# KiCad board m-blanc.kicad_pcb (continued)
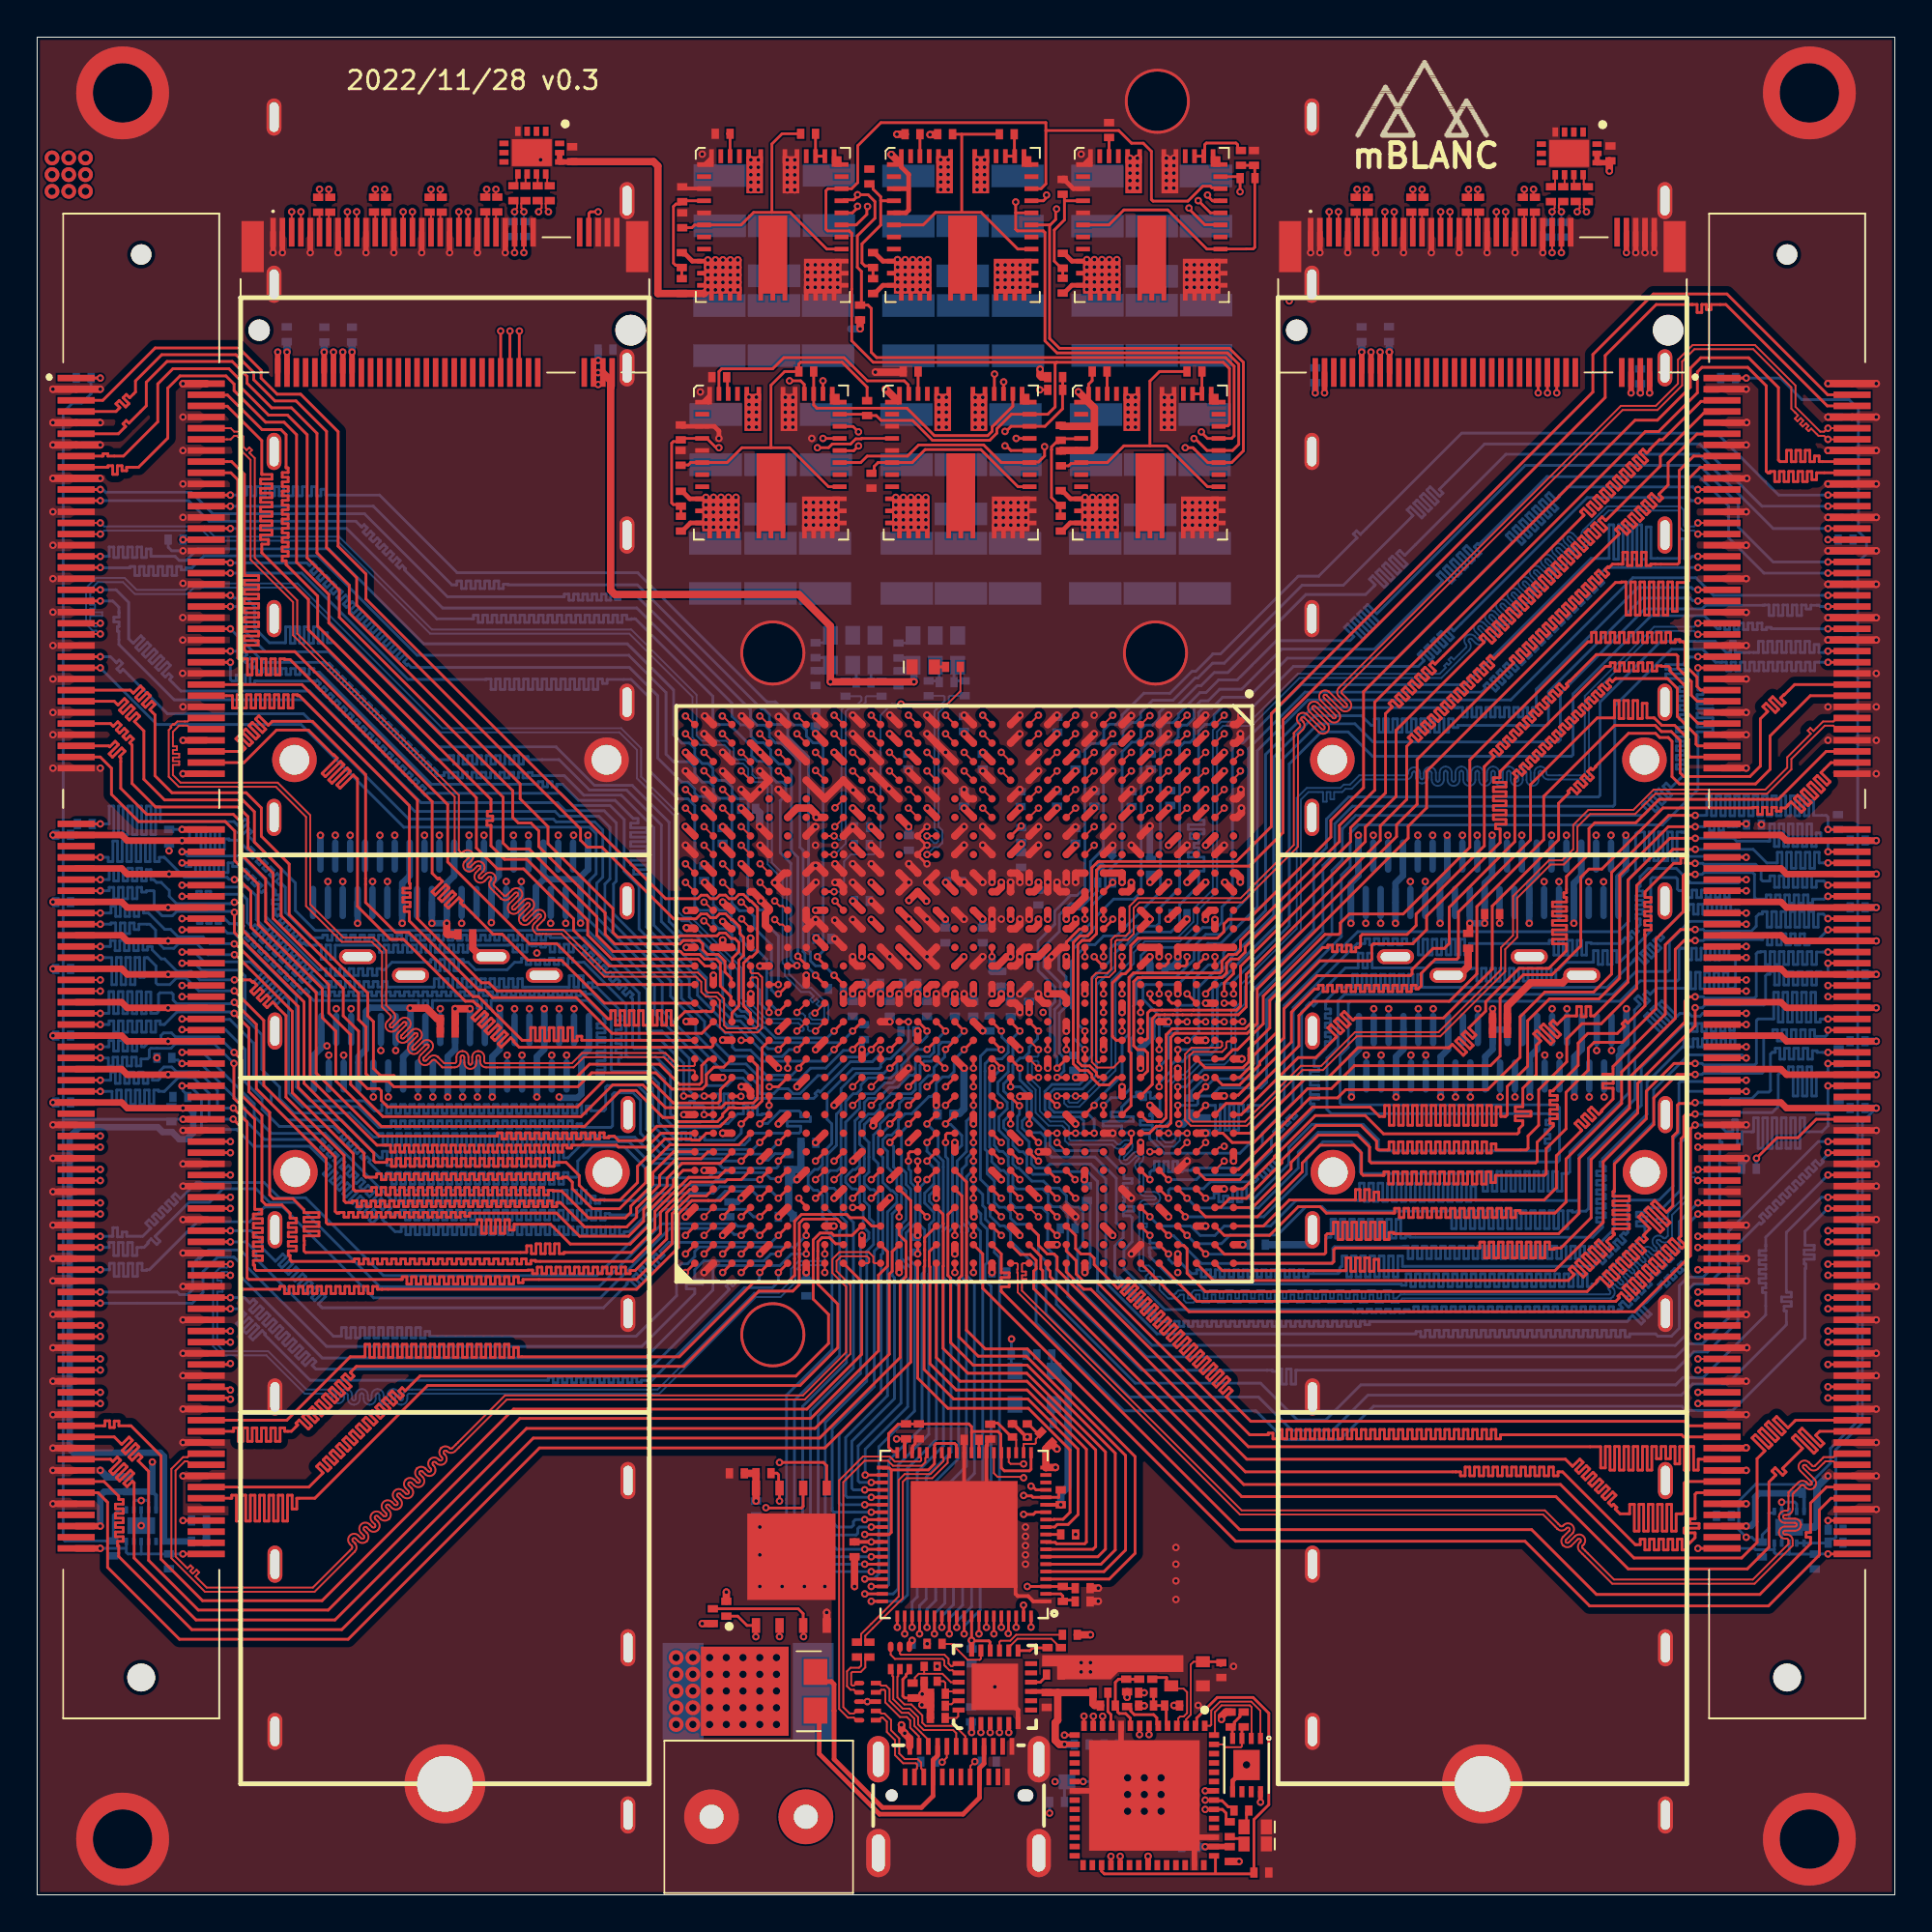
[diagram p0: board, top side]
## Routing (per net, layer and track width the routed paths; a pad name or vN(x,y) marks a point on that pad's centre or on a via; arc(x,y) is an arc through that point) (continued)
  Bottom Layer w0.1: v1(25.7,90.6) 25.7,90.16 R69.2
PCIe1_DET: length 77.2
  Top Layer w0.15: U1.A17 64.41,47.01 64.88,47.01 v1(64.89,47.01) ; M.2 #1.69 29.7,90.51 29.79,90.6 v1(30.2,90.6)
  InLayer1 (GND) w0.15: v1(64.89,47.01) 64.4,47.5 63.6,47.5 63.28,47.83 63.28,49.8 64.03,50.55 64.03,53.2 63.53,53.7 63.53,64.27 63.14,64.66 59.17,64.66 55.95,67.88 55.95,78.37 55.15,79.17 55.15,88.58 54.01,89.72 30.48,89.72 30.2,90 v1(30.2,90.6)
PCIe1_PERST: length 79.1
  Top Layer w0.15: v1(25.96,84.18) 25.95,84.18 25.95,81.95 M.2 #1.54 ; U1.C17 v1(62.9,47)
  InLayer1 (GND) w0.15: v1(25.96,84.18) 30.75,88.97 53.7,88.97 54.4,88.27 54.4,78.84 55.2,78.04 55.2,67.57 58.86,63.91 60.14,63.91 60.4,63.66 60.4,53.91 61.35,52.96 61.35,52.45 62,51.8 62.09,51.8 62.28,51.62 62.28,47.62 v1(62.9,47)
PCIe1_RCLK_N: length 84.1
  Top Layer w0.1: U1.J7 v1(56.9,57.5) ; v1(26.99,90.6) 26.99,90.65 27.15,90.81 27.15,91.05 27,91.2 C88.1
  InLayer2 (Signal) w0.1: v1(56.9,57.5) 56.9,57.17 56.97,57.1 57.19,57.1 57.3,57.21 57.3,57.6 57.04,57.86 54.64,57.86 54.3,58.2 54.3,59.7 54.1,59.9 53.61,59.9 53.28,60.23 53.28,62.61 52.98,62.9 52.69,62.9 52.33,63.26 52.33,64.36 47.33,69.36 29.62,69.36 27.14,71.84 27.14,72.34 26.86,72.34 26.86,72.54 27.14,72.54 27.14,73.38 arc(27.12,73.45) 27.04,73.48 26.36,73.48 arc(26.13,73.57) 26.04,73.8 arc(26.13,74.03) 26.36,74.13 27.36,74.13 arc(27.43,74.16) 27.46,74.23 arc(27.43,74.3) 27.36,74.33 27.07,74.33 arc(26.84,74.42) 26.74,74.65 arc(26.84,74.88) 27.07,74.98 27.36,74.98 arc(27.43,75.01) 27.46,75.08 arc(27.43,75.15) 27.36,75.18 27.07,75.18 arc(26.84,75.27) 26.74,75.5 arc(26.84,75.73) 27.07,75.83 27.36,75.83 arc(27.43,75.86) 27.46,75.93 arc(27.43,76) 27.36,76.03 27.07,76.03 arc(26.84,76.12) 26.74,76.35 arc(26.84,76.58) 27.07,76.68 27.36,76.68 arc(27.43,76.71) 27.46,76.78 arc(27.43,76.85) 27.36,76.88 27.07,76.88 arc(26.84,76.97) 26.74,77.2 arc(26.84,77.43) 27.07,77.53 27.36,77.53 arc(27.43,77.56) 27.46,77.63 arc(27.43,77.7) 27.36,77.73 27.07,77.73 arc(26.84,77.82) 26.74,78.05 arc(26.84,78.28) 27.07,78.38 27.36,78.38 arc(27.43,78.41) 27.46,78.48 arc(27.43,78.55) 27.36,78.58 27.07,78.58 arc(26.84,78.67) 26.74,78.9 arc(26.84,79.13) 27.07,79.23 27.36,79.23 arc(27.43,79.26) 27.46,79.33 arc(27.43,79.4) 27.36,79.43 27.07,79.43 arc(26.84,79.52) 26.74,79.75 arc(26.84,79.98) 27.07,80.08 27.36,80.08 arc(27.43,80.11) 27.46,80.18 arc(27.43,80.25) 27.36,80.28 27.07,80.28 arc(26.84,80.37) 26.74,80.6 arc(26.84,80.83) 27.07,80.93 27.36,80.93 arc(27.43,80.96) 27.46,81.03 arc(27.43,81.1) 27.36,81.13 27.07,81.13 arc(26.84,81.22) 26.74,81.45 arc(26.84,81.68) 27.07,81.78 27.36,81.78 arc(27.43,81.81) 27.46,81.88 arc(27.43,81.95) 27.36,81.98 27.07,81.98 arc(26.84,82.07) 26.74,82.3 arc(26.84,82.53) 27.07,82.63 27.36,82.63 arc(27.43,82.66) 27.46,82.73 arc(27.43,82.8) 27.36,82.83 27.07,82.83 arc(26.84,82.92) 26.74,83.15 arc(26.84,83.38) 27.07,83.48 27.36,83.48 arc(27.43,83.51) 27.46,83.58 arc(27.43,83.65) 27.36,83.68 27.07,83.68 arc(26.84,83.77) 26.74,84 arc(26.84,84.23) 27.07,84.33 27.36,84.33 arc(27.43,84.36) 27.46,84.43 arc(27.43,84.5) 27.36,84.53 27.07,84.53 arc(26.84,84.62) 26.74,84.85 arc(26.84,85.08) 27.07,85.18 27.36,85.18 arc(27.43,85.21) 27.46,85.28 arc(27.43,85.35) 27.36,85.38 27.07,85.38 arc(26.84,85.47) 26.74,85.7 arc(26.84,85.93) 27.07,86.03 27.36,86.03 arc(27.43,86.06) 27.46,86.13 arc(27.43,86.2) 27.36,86.23 27.07,86.23 arc(26.84,86.32) 26.74,86.55 arc(26.84,86.78) 27.07,86.88 27.36,86.88 arc(27.43,86.91) 27.46,86.98 arc(27.43,87.05) 27.36,87.08 27.07,87.08 arc(26.84,87.17) 26.74,87.4 arc(26.84,87.63) 27.07,87.73 27.36,87.73 arc(27.43,87.76) 27.46,87.83 arc(27.43,87.9) 27.36,87.93 26.97,87.93 arc(26.74,88.02) 26.64,88.25 arc(26.74,88.48) 26.97,88.58 27.36,88.58 arc(27.43,88.61) 27.46,88.68 arc(27.43,88.75) 27.36,88.78 26.16,88.78 arc(25.93,88.87) 25.83,89.1 arc(25.93,89.33) 26.16,89.43 27.04,89.43 arc(27.12,89.46) 27.14,89.53 27.14,90.39 26.99,90.54 v1(26.99,90.6)
PCIe1_RCLK_P: length 83.9
  Top Layer w0.1: v1(27.52,90.6) 27.52,90.67 27.38,90.81 27.38,91.05 27.53,91.2 C87.1 ; U1.J8 v1(56.9,56.5)
  InLayer2 (Signal) w0.1: v1(56.9,56.5) 56.9,56.82 56.96,56.88 57.28,56.88 57.53,57.12 57.53,57.69 57.13,58.08 54.73,58.08 54.52,58.3 54.52,59.8 54.19,60.12 53.7,60.12 53.5,60.33 53.5,62.7 53.08,63.12 52.78,63.12 52.55,63.36 52.55,64.45 47.42,69.59 29.71,69.59 27.37,71.93 27.37,73.38 arc(27.27,73.61) 27.04,73.7 26.36,73.7 arc(26.29,73.73) 26.26,73.8 arc(26.29,73.87) 26.36,73.9 27.36,73.9 arc(27.59,74) 27.69,74.23 arc(27.59,74.46) 27.36,74.55 27.07,74.55 arc(27,74.58) 26.97,74.65 arc(27,74.72) 27.07,74.75 27.36,74.75 arc(27.59,74.85) 27.69,75.08 arc(27.59,75.31) 27.36,75.4 27.07,75.4 arc(27,75.43) 26.97,75.5 arc(27,75.57) 27.07,75.6 27.36,75.6 arc(27.59,75.7) 27.69,75.93 arc(27.59,76.16) 27.36,76.25 27.07,76.25 arc(27,76.28) 26.97,76.35 arc(27,76.42) 27.07,76.45 27.36,76.45 arc(27.59,76.55) 27.68,76.78 arc(27.59,77.01) 27.36,77.1 27.07,77.1 arc(27,77.13) 26.97,77.2 arc(27,77.27) 27.07,77.3 27.36,77.3 arc(27.59,77.4) 27.68,77.63 arc(27.59,77.86) 27.36,77.95 27.07,77.95 arc(27,77.98) 26.97,78.05 arc(27,78.12) 27.07,78.15 27.36,78.15 arc(27.59,78.25) 27.68,78.48 arc(27.59,78.71) 27.36,78.8 27.07,78.8 arc(27,78.83) 26.97,78.9 arc(27,78.97) 27.07,79 27.36,79 arc(27.59,79.1) 27.68,79.33 arc(27.59,79.56) 27.36,79.65 27.07,79.65 arc(27,79.68) 26.97,79.75 arc(27,79.82) 27.07,79.85 27.36,79.85 arc(27.59,79.95) 27.68,80.18 arc(27.59,80.41) 27.36,80.5 27.07,80.5 arc(27,80.53) 26.97,80.6 arc(27,80.67) 27.07,80.7 27.36,80.7 arc(27.59,80.8) 27.68,81.03 arc(27.59,81.26) 27.36,81.35 27.07,81.35 arc(27,81.38) 26.97,81.45 arc(27,81.52) 27.07,81.55 27.36,81.55 arc(27.59,81.65) 27.68,81.88 arc(27.59,82.11) 27.36,82.2 27.07,82.2 arc(27,82.23) 26.97,82.3 arc(27,82.37) 27.07,82.4 27.36,82.4 arc(27.59,82.5) 27.68,82.73 arc(27.59,82.96) 27.36,83.05 27.07,83.05 arc(27,83.08) 26.97,83.15 arc(27,83.22) 27.07,83.25 27.36,83.25 arc(27.59,83.35) 27.68,83.58 arc(27.59,83.81) 27.36,83.9 27.07,83.9 arc(27,83.93) 26.97,84 arc(27,84.07) 27.07,84.1 27.36,84.1 arc(27.59,84.2) 27.68,84.43 arc(27.59,84.66) 27.36,84.75 27.07,84.75 arc(27,84.78) 26.97,84.85 arc(27,84.92) 27.07,84.95 27.36,84.95 arc(27.59,85.05) 27.68,85.28 arc(27.59,85.51) 27.36,85.6 27.07,85.6 arc(27,85.63) 26.97,85.7 arc(27,85.77) 27.07,85.8 27.36,85.8 arc(27.59,85.9) 27.69,86.13 arc(27.59,86.36) 27.36,86.45 27.07,86.45 arc(27,86.48) 26.97,86.55 arc(27,86.62) 27.07,86.65 27.36,86.65 arc(27.59,86.75) 27.69,86.98 arc(27.59,87.21) 27.36,87.3 27.07,87.3 arc(27,87.33) 26.97,87.4 arc(27,87.47) 27.07,87.5 27.36,87.5 arc(27.59,87.6) 27.69,87.83 arc(27.59,88.06) 27.36,88.15 26.97,88.15 arc(26.9,88.18) 26.87,88.25 arc(26.9,88.32) 26.97,88.35 27.36,88.35 arc(27.59,88.45) 27.69,88.68 arc(27.59,88.91) 27.36,89 26.16,89 arc(26.09,89.03) 26.06,89.1 arc(26.09,89.17) 26.16,89.2 27.04,89.2 arc(27.27,89.3) 27.37,89.53 27.37,90.39 27.52,90.54 v1(27.52,90.6)
PCIe1_RX0_N: length 86.3
  Top Layer w0.1: M.2 #1.41 v1(22.7,90.6) ; U1.M5 v1(53.9,59.5)
  InLayer2 (Signal) w0.1: v1(53.9,59.5) 53.9,59.17 53.84,59.11 53.76,59.11 53.48,59.4 53.48,59.75 52.92,60.3 52.92,61.97 52.5,62.39 52.5,62.8 52.13,63.18 52.13,63.73 46.76,69.09 29.11,69.09 25.08,73.12 25.23,73.27 25.08,73.42 24.93,73.27 24.84,73.36 22.72,75.48 22.72,75.88 arc(22.62,76.11) 22.39,76.21 21.59,76.21 arc(21.52,76.24) 21.49,76.31 arc(21.52,76.38) 21.59,76.41 22.41,76.41 arc(22.64,76.5) 22.74,76.73 arc(22.64,76.96) 22.41,77.06 21.59,77.06 arc(21.52,77.09) 21.49,77.16 arc(21.52,77.23) 21.59,77.26 22.41,77.26 arc(22.64,77.35) 22.74,77.58 arc(22.64,77.81) 22.41,77.91 21.59,77.91 arc(21.52,77.94) 21.49,78.01 arc(21.52,78.08) 21.59,78.11 22.41,78.11 arc(22.64,78.2) 22.74,78.43 arc(22.64,78.66) 22.41,78.76 21.59,78.76 arc(21.52,78.79) 21.49,78.86 arc(21.52,78.93) 21.59,78.96 22.41,78.96 arc(22.64,79.05) 22.74,79.28 arc(22.64,79.51) 22.41,79.61 21.59,79.61 arc(21.52,79.64) 21.49,79.71 arc(21.52,79.78) 21.59,79.81 22.41,79.81 arc(22.64,79.9) 22.74,80.13 arc(22.64,80.36) 22.41,80.46 21.59,80.46 arc(21.52,80.49) 21.49,80.56 arc(21.52,80.63) 21.59,80.66 22.41,80.66 arc(22.64,80.75) 22.74,80.98 arc(22.64,81.21) 22.41,81.31 21.59,81.31 arc(21.52,81.34) 21.49,81.41 arc(21.52,81.48) 21.59,81.51 22.41,81.51 arc(22.64,81.6) 22.74,81.83 arc(22.64,82.06) 22.41,82.16 21.59,82.16 arc(21.52,82.19) 21.49,82.26 arc(21.52,82.33) 21.59,82.36 22.41,82.36 arc(22.64,82.45) 22.74,82.68 arc(22.64,82.91) 22.41,83.01 21.59,83.01 arc(21.52,83.04) 21.49,83.11 arc(21.52,83.18) 21.59,83.21 22.41,83.21 arc(22.64,83.3) 22.74,83.53 arc(22.64,83.76) 22.41,83.86 21.59,83.86 arc(21.52,83.89) 21.49,83.96 arc(21.52,84.03) 21.59,84.06 22.41,84.06 arc(22.64,84.15) 22.74,84.38 arc(22.64,84.61) 22.41,84.71 21.59,84.71 arc(21.52,84.74) 21.49,84.81 arc(21.52,84.88) 21.59,84.91 22.41,84.91 arc(22.64,85) 22.74,85.23 arc(22.64,85.46) 22.41,85.56 21.59,85.56 arc(21.52,85.59) 21.49,85.66 arc(21.52,85.73) 21.59,85.76 22.41,85.76 arc(22.64,85.85) 22.74,86.08 arc(22.64,86.31) 22.41,86.41 22.23,86.41 arc(22.16,86.44) 22.13,86.51 arc(22.16,86.58) 22.23,86.61 22.39,86.61 arc(22.62,86.7) 22.72,86.93 22.72,88.02 23.83,89.13 23.83,91.09 23.64,91.28 23.03,91.28 22.81,91.07 22.81,90.79 22.7,90.68 v1(22.7,90.6)
PCIe1_RX0_P: length 85.5
  Top Layer w0.1: U1.M6 v1(53.9,58.5) ; M.2 #1.43 v1(23.2,90.6)
  InLayer2 (Signal) w0.1: v1(53.9,58.5) 53.9,58.83 53.84,58.89 53.67,58.89 53.25,59.3 53.25,59.66 52.7,60.21 52.7,61.87 52.28,62.3 52.28,62.71 51.9,63.09 51.9,63.63 46.67,68.86 29.02,68.86 26.54,71.34 22.49,75.39 22.49,75.88 arc(22.46,75.95) 22.39,75.98 21.59,75.98 arc(21.36,76.08) 21.27,76.31 arc(21.36,76.54) 21.59,76.63 22.41,76.63 arc(22.48,76.66) 22.51,76.73 arc(22.48,76.8) 22.41,76.83 21.59,76.83 arc(21.36,76.93) 21.27,77.16 arc(21.36,77.39) 21.59,77.48 22.41,77.48 arc(22.48,77.51) 22.51,77.58 arc(22.48,77.65) 22.41,77.68 21.59,77.68 arc(21.36,77.78) 21.27,78.01 arc(21.36,78.24) 21.59,78.33 22.41,78.33 arc(22.48,78.36) 22.51,78.43 arc(22.48,78.5) 22.41,78.53 21.59,78.53 arc(21.36,78.63) 21.27,78.86 arc(21.36,79.09) 21.59,79.18 22.41,79.18 arc(22.48,79.21) 22.51,79.28 arc(22.48,79.35) 22.41,79.38 21.59,79.38 arc(21.36,79.48) 21.27,79.71 arc(21.36,79.94) 21.59,80.03 22.41,80.03 arc(22.48,80.06) 22.51,80.13 arc(22.48,80.2) 22.41,80.23 21.59,80.23 arc(21.36,80.33) 21.27,80.56 arc(21.36,80.79) 21.59,80.88 22.41,80.88 arc(22.48,80.91) 22.51,80.98 arc(22.48,81.05) 22.41,81.08 21.59,81.08 arc(21.36,81.18) 21.27,81.41 arc(21.36,81.64) 21.59,81.73 22.41,81.73 arc(22.48,81.76) 22.51,81.83 arc(22.48,81.9) 22.41,81.93 21.59,81.93 arc(21.36,82.03) 21.27,82.26 arc(21.36,82.49) 21.59,82.58 22.41,82.58 arc(22.48,82.61) 22.51,82.68 arc(22.48,82.75) 22.41,82.78 21.59,82.78 arc(21.36,82.88) 21.27,83.11 arc(21.36,83.34) 21.59,83.43 22.41,83.43 arc(22.48,83.46) 22.51,83.53 arc(22.48,83.6) 22.41,83.63 21.59,83.63 arc(21.36,83.73) 21.27,83.96 arc(21.36,84.19) 21.59,84.28 22.41,84.28 arc(22.48,84.31) 22.51,84.38 arc(22.48,84.45) 22.41,84.48 21.59,84.48 arc(21.36,84.58) 21.27,84.81 arc(21.36,85.04) 21.59,85.13 22.41,85.13 arc(22.48,85.16) 22.51,85.23 arc(22.48,85.3) 22.41,85.33 21.59,85.33 arc(21.36,85.43) 21.27,85.66 arc(21.36,85.89) 21.59,85.98 22.41,85.98 arc(22.48,86.01) 22.51,86.08 arc(22.48,86.15) 22.41,86.18 22.23,86.18 arc(22,86.28) 21.91,86.51 arc(22,86.74) 22.23,86.83 22.39,86.83 arc(22.46,86.86) 22.49,86.93 22.49,88.12 23.6,89.23 23.6,91 23.55,91.06 23.12,91.06 23.04,90.97 23.04,90.83 23.2,90.67 v1(23.2,90.6)
PCIe1_RX1_N: length 82.8
  Top Layer w0.1: M.2 #1.29 v1(19.7,90.6) ; U1.L3 v1(54.9,61.5)
  InLayer2 (Signal) w0.1: v1(54.9,61.5) 54.9,61.17 54.84,61.11 54.65,61.11 54.5,61.26 54.5,64.46 48.38,70.57 30.65,70.57 29.05,72.17 29.05,72.92 29.11,72.98 29.12,72.98 29.25,73.11 29.25,73.5 29.12,73.63 28.96,73.63 28.96,73.83 29.29,73.83 29.42,73.96 29.42,74.35 29.29,74.48 28.96,74.48 28.96,74.68 29.29,74.68 29.42,74.81 29.42,75.2 29.29,75.33 29.05,75.33 29.05,75.53 29.29,75.53 29.42,75.66 29.42,76.05 29.29,76.18 29.05,76.18 29.05,76.38 29.29,76.38 29.42,76.51 29.42,76.9 29.29,77.03 29.05,77.03 29.05,77.23 29.29,77.23 29.42,77.36 29.42,77.75 29.29,77.88 29.05,77.88 29.05,78.08 29.29,78.08 29.42,78.21 29.42,78.6 29.29,78.73 29.05,78.73 29.05,78.93 29.29,78.93 29.42,79.06 29.42,79.45 29.29,79.58 29.05,79.58 29.05,79.78 29.29,79.78 29.42,79.91 29.42,80.3 29.29,80.43 29.05,80.43 29.05,80.63 29.29,80.63 29.42,80.76 29.42,81.15 29.29,81.28 29.05,81.28 29.05,81.48 29.29,81.48 29.42,81.61 29.42,82 29.29,82.13 29.05,82.13 29.05,82.33 29.29,82.33 29.42,82.46 29.42,82.85 29.29,82.98 29.05,82.98 29.05,83.18 29.29,83.18 29.42,83.31 29.42,83.7 29.29,83.83 29.05,83.83 29.05,84.03 29.29,84.03 29.42,84.16 29.42,84.55 29.29,84.68 29.05,84.68 29.05,84.88 29.29,84.88 29.42,85.01 29.42,85.4 29.29,85.53 29.05,85.53 29.05,85.73 29.29,85.73 29.42,85.86 29.42,86.25 29.29,86.38 29.05,86.38 29.05,86.58 29.29,86.58 29.42,86.71 29.42,87.1 29.29,87.23 29.05,87.23 29.05,87.43 29.29,87.43 29.42,87.56 29.42,87.95 29.29,88.08 29.05,88.08 29.05,88.28 29.29,88.28 29.42,88.41 29.42,88.8 29.29,88.93 29.05,88.93 29.05,89.13 29.29,89.13 29.42,89.26 29.42,89.65 29.29,89.78 29.05,89.78 29.05,89.98 29.29,89.98 29.42,90.11 29.42,90.5 29.29,90.63 29.05,90.63 29.05,90.83 29.29,90.83 29.42,90.96 29.42,91.35 29.29,91.48 29.05,91.48 29.05,91.68 29.29,91.68 29.42,91.81 29.42,92.2 29.29,92.33 29.11,92.33 29.05,92.39 29.05,92.61 28.44,93.22 arc(28.44,93.22) 28.44,93.22 27.12,94.55 23.58,94.55 22.65,93.62 22.65,91.83 22.02,91.2 21.71,91.2 arc(21.48,91.1) 21.39,90.87 21.39,90.26 arc(21.36,90.19) 21.29,90.16 arc(21.22,90.19) 21.19,90.26 21.19,90.87 arc(21.09,91.1) 20.86,91.2 20.03,91.2 19.84,91.01 19.84,90.81 19.7,90.67 v1(19.7,90.6)
PCIe1_RX1_P: length 82.8
  Top Layer w0.1: M.2 #1.31 v1(20.2,90.6) ; U1.L4 v1(54.9,60.5)
  InLayer2 (Signal) w0.1: v1(20.2,90.6) 20.2,90.67 20.06,90.81 20.06,90.91 20.12,90.97 20.86,90.97 arc(20.93,90.94) 20.96,90.87 20.96,90.26 arc(21.06,90.03) 21.29,89.93 arc(21.52,90.03) 21.61,90.26 21.61,90.87 arc(21.64,90.94) 21.71,90.97 22.11,90.97 22.88,91.74 22.88,93.52 23.67,94.32 27.02,94.32 27.6,93.75 27.47,93.62 27.61,93.47 27.74,93.6 28.83,92.51 28.83,92.3 29.02,92.11 29.2,92.11 29.2,91.91 28.96,91.91 28.83,91.77 28.83,91.39 28.96,91.26 29.2,91.26 29.2,91.06 28.96,91.06 28.83,90.92 28.83,90.54 28.96,90.41 29.2,90.41 29.2,90.21 28.96,90.21 28.83,90.07 28.83,89.69 28.96,89.56 29.2,89.56 29.2,89.36 28.96,89.36 28.83,89.22 28.83,88.84 28.96,88.71 29.2,88.71 29.2,88.51 28.96,88.51 28.83,88.37 28.83,87.99 28.96,87.86 29.2,87.86 29.2,87.66 28.96,87.66 28.83,87.52 28.83,87.14 28.96,87.01 29.2,87.01 29.2,86.81 28.96,86.81 28.83,86.67 28.83,86.29 28.96,86.16 29.2,86.16 29.2,85.96 28.96,85.96 28.83,85.82 28.83,85.44 28.96,85.31 29.2,85.31 29.2,85.11 28.96,85.11 28.83,84.97 28.83,84.59 28.96,84.46 29.2,84.46 29.2,84.26 28.96,84.26 28.83,84.12 28.83,83.74 28.96,83.61 29.2,83.61 29.2,83.41 28.96,83.41 28.83,83.27 28.83,82.89 28.96,82.76 29.2,82.76 29.2,82.56 28.96,82.56 28.83,82.42 28.83,82.04 28.96,81.91 29.2,81.91 29.2,81.71 28.96,81.71 28.83,81.57 28.83,81.19 28.96,81.06 29.2,81.06 29.2,80.86 28.96,80.86 28.83,80.72 28.83,80.34 28.96,80.21 29.2,80.21 29.2,80.01 28.96,80.01 28.83,79.87 28.83,79.49 28.96,79.36 29.2,79.36 29.2,79.16 28.96,79.16 28.83,79.02 28.83,78.64 28.96,78.51 29.2,78.51 29.2,78.31 28.96,78.31 28.83,78.17 28.83,77.79 28.96,77.66 29.2,77.66 29.2,77.46 28.96,77.46 28.83,77.32 28.83,76.94 28.96,76.81 29.2,76.81 29.2,76.61 28.96,76.61 28.83,76.47 28.83,76.09 28.96,75.96 29.2,75.96 29.2,75.76 28.96,75.76 28.83,75.62 28.83,75.24 28.96,75.11 29.2,75.11 29.2,74.91 28.87,74.91 28.74,74.77 28.74,74.39 28.87,74.26 29.2,74.26 29.2,74.06 28.87,74.06 28.74,73.92 28.74,73.54 28.87,73.41 29.03,73.41 29.03,73.21 29.02,73.21 28.83,73.02 28.83,72.07 30.56,70.35 48.29,70.35 54.28,64.36 54.28,61.17 54.55,60.89 54.84,60.89 54.9,60.83 v1(54.9,60.5)
PCIe1_RX2_N: length 84.9
  Top Layer w0.1: U1.K5 v1(55.9,59.5) ; M.2 #1.17 v1(16.7,90.6)
  InLayer2 (Signal) w0.1: v1(16.7,90.6) 16.7,90.67 16.84,90.81 16.84,90.99 17.03,91.18 18.97,91.18 19.93,92.14 19.93,92.8 arc(19.9,92.87) 19.83,92.9 arc(19.6,92.99) 19.5,93.22 arc(19.6,93.45) 19.83,93.55 arc(19.9,93.58) 19.93,93.65 19.93,95.05 21.18,96.3 27.91,96.3 30.82,93.39 30.82,89.79 arc(30.85,89.72) 30.92,89.69 31.27,89.69 arc(31.6,89.37) 31.27,89.04 30.87,89.04 arc(30.77,88.94) 30.87,88.84 31.27,88.84 arc(31.6,88.52) 31.27,88.19 30.87,88.19 arc(30.77,88.09) 30.87,87.99 31.27,87.99 arc(31.6,87.67) 31.27,87.34 30.87,87.34 arc(30.77,87.24) 30.87,87.14 31.27,87.14 arc(31.6,86.82) 31.27,86.49 30.87,86.49 arc(30.77,86.39) 30.87,86.29 31.27,86.29 arc(31.6,85.97) 31.27,85.64 30.92,85.64 arc(30.85,85.61) 30.82,85.54 30.82,72.28 31.46,71.64 49.31,71.64 56.53,64.42 56.53,62.33 56.07,61.88 55.6,61.88 55.5,61.78 55.5,59.37 55.76,59.11 55.84,59.11 55.9,59.17 v1(55.9,59.5)
PCIe1_RX2_P: length 84.9
  Top Layer w0.1: M.2 #1.19 v1(17.2,90.6) ; U1.K6 v1(55.9,58.5)
  InLayer2 (Signal) w0.1: v1(17.2,90.6) 17.2,90.67 17.06,90.81 17.06,90.9 17.12,90.96 19.06,90.96 20.15,92.05 20.15,92.8 arc(20.06,93.03) 19.83,93.12 arc(19.76,93.15) 19.73,93.22 arc(19.76,93.29) 19.83,93.32 arc(20.06,93.42) 20.15,93.65 20.15,94.95 21.27,96.08 27.82,96.08 28.81,95.08 28.68,94.96 28.83,94.82 28.95,94.94 30.59,93.3 30.59,89.79 arc(30.69,89.56) 30.92,89.47 31.27,89.47 arc(31.37,89.37) 31.27,89.27 30.87,89.27 arc(30.54,88.94) 30.87,88.62 31.27,88.62 arc(31.37,88.52) 31.27,88.42 30.87,88.42 arc(30.54,88.09) 30.87,87.77 31.27,87.77 arc(31.37,87.67) 31.27,87.57 30.87,87.57 arc(30.54,87.24) 30.87,86.92 31.27,86.92 arc(31.37,86.82) 31.27,86.72 30.87,86.72 arc(30.54,86.39) 30.87,86.07 31.27,86.07 arc(31.37,85.97) 31.27,85.87 30.92,85.87 arc(30.69,85.77) 30.59,85.54 30.59,72.18 31.36,71.41 49.22,71.41 56.3,64.33 56.3,62.42 55.98,62.1 55.51,62.1 55.28,61.87 55.28,59.28 55.67,58.89 55.84,58.89 55.9,58.83 v1(55.9,58.5)
PCIe1_RX3_N: length 82.3
  Top Layer w0.1: M.2 #1.5 v1(13.7,90.6) ; U1.J3 v1(56.9,61.5)
  InLayer2 (Signal) w0.1: v1(13.7,90.6) 13.7,90.67 13.84,90.81 13.84,90.99 14.03,91.18 15.66,91.18 16.72,92.24 16.72,95.63 18.93,97.84 29.11,97.84 34.16,92.8 34.16,73.62 35.07,72.71 50.07,72.71 58.53,64.25 58.53,62.23 58.19,61.9 56.79,61.9 56.5,61.61 56.5,61.32 56.71,61.11 56.84,61.11 56.9,61.17 v1(56.9,61.5)
PCIe1_RX3_P: length 82.3
  Top Layer w0.1: U1.J4 v1(56.9,60.5) ; M.2 #1.7 v1(14.2,90.6)
  InLayer2 (Signal) w0.1: v1(56.9,60.5) 56.9,60.83 56.84,60.89 56.61,60.89 56.28,61.23 56.28,61.7 56.7,62.12 58.1,62.12 58.3,62.33 58.3,64.16 49.97,72.49 34.97,72.49 33.94,73.53 33.94,92.7 30.32,96.32 30.04,96.6 29.93,96.49 29.79,96.64 29.9,96.74 29.02,97.62 19.03,97.62 16.95,95.54 16.95,92.14 15.76,90.95 14.12,90.95 14.06,90.89 14.06,90.81 14.2,90.67 v1(14.2,90.6)
PCIe1_TX0_N: length 81.6
  Top Layer w0.1: v1(24.2,91.81) 24.2,91.47 C95.1 ; U1.M1 v1(53.9,63.5)
  InLayer2 (Signal) w0.1: v1(53.9,63.5) 53.9,63.17 53.84,63.11 53.72,63.11 53.5,63.34 53.5,64.49 47.92,70.07 30.23,70.07 28.12,72.18 28.12,72.38 arc(28.15,72.45) 28.22,72.48 arc(28.55,72.8) 28.22,73.13 28.01,73.13 arc(27.91,73.23) 28.01,73.33 28.21,73.33 arc(28.54,73.65) 28.21,73.98 arc(28.11,74.08) 28.21,74.18 arc(28.54,74.5) 28.21,74.83 28.21,74.83 arc(28.11,74.93) 28.21,75.03 28.3,75.03 arc(28.63,75.35) 28.3,75.68 28.21,75.68 arc(28.11,75.78) 28.21,75.88 28.3,75.88 arc(28.63,76.2) 28.3,76.53 28.21,76.53 arc(28.11,76.63) 28.21,76.73 28.3,76.73 arc(28.63,77.05) 28.3,77.38 28.21,77.38 arc(28.11,77.48) 28.21,77.58 28.3,77.58 arc(28.63,77.9) 28.3,78.23 28.21,78.23 arc(28.11,78.33) 28.21,78.43 28.3,78.43 arc(28.63,78.75) 28.3,79.08 28.21,79.08 arc(28.11,79.18) 28.21,79.28 28.3,79.28 arc(28.63,79.6) 28.3,79.93 28.21,79.93 arc(28.11,80.03) 28.21,80.13 28.3,80.13 arc(28.63,80.45) 28.3,80.78 28.21,80.78 arc(28.11,80.88) 28.21,80.98 28.3,80.98 arc(28.63,81.3) 28.3,81.63 28.21,81.63 arc(28.11,81.73) 28.21,81.83 28.3,81.83 arc(28.63,82.15) 28.3,82.48 28.21,82.48 arc(28.11,82.58) 28.21,82.68 28.3,82.68 arc(28.63,83) 28.3,83.33 28.21,83.33 arc(28.11,83.43) 28.21,83.53 28.3,83.53 arc(28.63,83.85) 28.3,84.18 28.21,84.18 arc(28.11,84.28) 28.21,84.38 28.3,84.38 arc(28.63,84.7) 28.3,85.03 28.21,85.03 arc(28.11,85.13) 28.21,85.23 28.3,85.23 arc(28.63,85.55) 28.3,85.88 28.21,85.88 arc(28.11,85.98) 28.21,86.08 28.3,86.08 arc(28.63,86.4) 28.3,86.73 28.21,86.73 arc(28.11,86.83) 28.21,86.93 28.3,86.93 arc(28.63,87.25) 28.3,87.58 28.21,87.58 arc(28.11,87.68) 28.21,87.78 28.3,87.78 arc(28.63,88.1) 28.3,88.43 28.21,88.43 arc(28.11,88.53) 28.21,88.63 28.3,88.63 arc(28.63,88.95) 28.3,89.28 28,89.28 arc(27.9,89.38) 28,89.48 28.3,89.48 arc(28.63,89.8) 28.3,90.13 28.2,90.13 arc(28.1,90.23) 28.2,90.33 28.3,90.33 arc(28.63,90.65) 28.3,90.98 28.12,90.98 arc(28.02,91.08) 28.12,91.18 28.3,91.18 arc(28.63,91.5) 28.3,91.83 28.22,91.83 arc(28.15,91.86) 28.12,91.93 28.12,92.08 28.12,92.08 28.12,92.16 27.53,92.74 27.18,92.74 arc(26.95,92.65) 26.86,92.42 26.86,91.62 arc(26.76,91.52) 26.66,91.62 26.66,93.64 arc(26.33,93.97) 26.01,93.64 26.01,91.48 arc(25.91,91.38) 25.81,91.48 25.81,93.64 arc(25.48,93.97) 25.16,93.64 25.16,92.84 arc(25.13,92.77) 25.06,92.74 24.82,92.74 24.33,92.25 24.33,92.02 24.2,91.88 v1(24.2,91.81)
PCIe1_TX0_P: length 81.6
  Top Layer w0.1: v1(24.7,91.81) 24.7,91.47 C93.1 ; U1.M2 v1(53.9,62.5)
  InLayer2 (Signal) w0.1: v1(53.9,62.5) 53.9,62.83 53.84,62.89 53.63,62.89 53.28,63.24 53.28,63.83 53.07,63.83 53.07,64.03 53.28,64.03 53.28,64.4 47.83,69.84 30.14,69.84 27.9,72.09 27.9,72.38 arc(27.99,72.61) 28.22,72.7 arc(28.32,72.8) 28.22,72.9 28.01,72.9 arc(27.68,73.23) 28.01,73.55 28.21,73.55 arc(28.31,73.65) 28.21,73.75 arc(27.89,74.08) 28.21,74.4 arc(28.31,74.5) 28.21,74.6 28.21,74.6 arc(27.89,74.93) 28.21,75.25 28.3,75.25 arc(28.4,75.35) 28.3,75.45 28.21,75.45 arc(27.89,75.78) 28.21,76.1 28.3,76.1 arc(28.4,76.2) 28.3,76.3 28.21,76.3 arc(27.88,76.63) 28.21,76.95 28.3,76.95 arc(28.4,77.05) 28.3,77.15 28.21,77.15 arc(27.88,77.48) 28.21,77.8 28.3,77.8 arc(28.4,77.9) 28.3,78 28.21,78 arc(27.88,78.33) 28.21,78.65 28.3,78.65 arc(28.4,78.75) 28.3,78.85 28.21,78.85 arc(27.88,79.18) 28.21,79.5 28.3,79.5 arc(28.4,79.6) 28.3,79.7 28.21,79.7 arc(27.88,80.03) 28.21,80.35 28.3,80.35 arc(28.4,80.45) 28.3,80.55 28.21,80.55 arc(27.88,80.88) 28.21,81.2 28.3,81.2 arc(28.4,81.3) 28.3,81.4 28.21,81.4 arc(27.88,81.73) 28.21,82.05 28.3,82.05 arc(28.4,82.15) 28.3,82.25 28.21,82.25 arc(27.88,82.58) 28.21,82.9 28.3,82.9 arc(28.4,83) 28.3,83.1 28.21,83.1 arc(27.88,83.43) 28.21,83.75 28.3,83.75 arc(28.4,83.85) 28.3,83.95 28.21,83.95 arc(27.88,84.28) 28.21,84.6 28.3,84.6 arc(28.4,84.7) 28.3,84.8 28.21,84.8 arc(27.88,85.13) 28.21,85.45 28.3,85.45 arc(28.4,85.55) 28.3,85.65 28.21,85.65 arc(27.89,85.98) 28.21,86.3 28.3,86.3 arc(28.4,86.4) 28.3,86.5 28.21,86.5 arc(27.89,86.83) 28.21,87.15 28.3,87.15 arc(28.4,87.25) 28.3,87.35 28.21,87.35 arc(27.89,87.68) 28.21,88 28.3,88 arc(28.4,88.1) 28.3,88.2 28.21,88.2 arc(27.89,88.53) 28.21,88.85 28.3,88.85 arc(28.4,88.95) 28.3,89.05 28,89.05 arc(27.67,89.38) 28,89.7 28.3,89.7 arc(28.4,89.8) 28.3,89.9 28.2,89.9 arc(27.87,90.23) 28.2,90.55 28.3,90.55 arc(28.4,90.65) 28.3,90.75 28.12,90.75 arc(27.8,91.08) 28.12,91.4 28.3,91.4 arc(28.4,91.5) 28.3,91.6 28.22,91.6 arc(27.99,91.7) 27.9,91.93 27.9,91.98 27.89,91.99 27.89,92.07 27.44,92.52 27.18,92.52 arc(27.11,92.49) 27.08,92.42 27.08,91.62 arc(26.76,91.3) 26.43,91.62 26.43,93.64 arc(26.33,93.74) 26.23,93.64 26.23,91.48 arc(25.91,91.15) 25.58,91.48 25.58,93.64 arc(25.48,93.74) 25.38,93.64 25.38,92.84 arc(25.29,92.61) 25.06,92.52 24.92,92.52 24.56,92.16 24.56,92.02 24.7,91.88 v1(24.7,91.81)
